# Altium PCB ecoVENTV_v1.1.PcbDoc (part 3 of 3)
Units mm, origin at the board's own origin, x right, y up, seen from the top; angles counter-clockwise.
Board outline 55 x 40 mm, 4 copper layers (Top Layer, GND, POWER, Bottom Layer), stack 1.269 mm thick; 195 components, 115 nets, 548 pads, 345 vias.
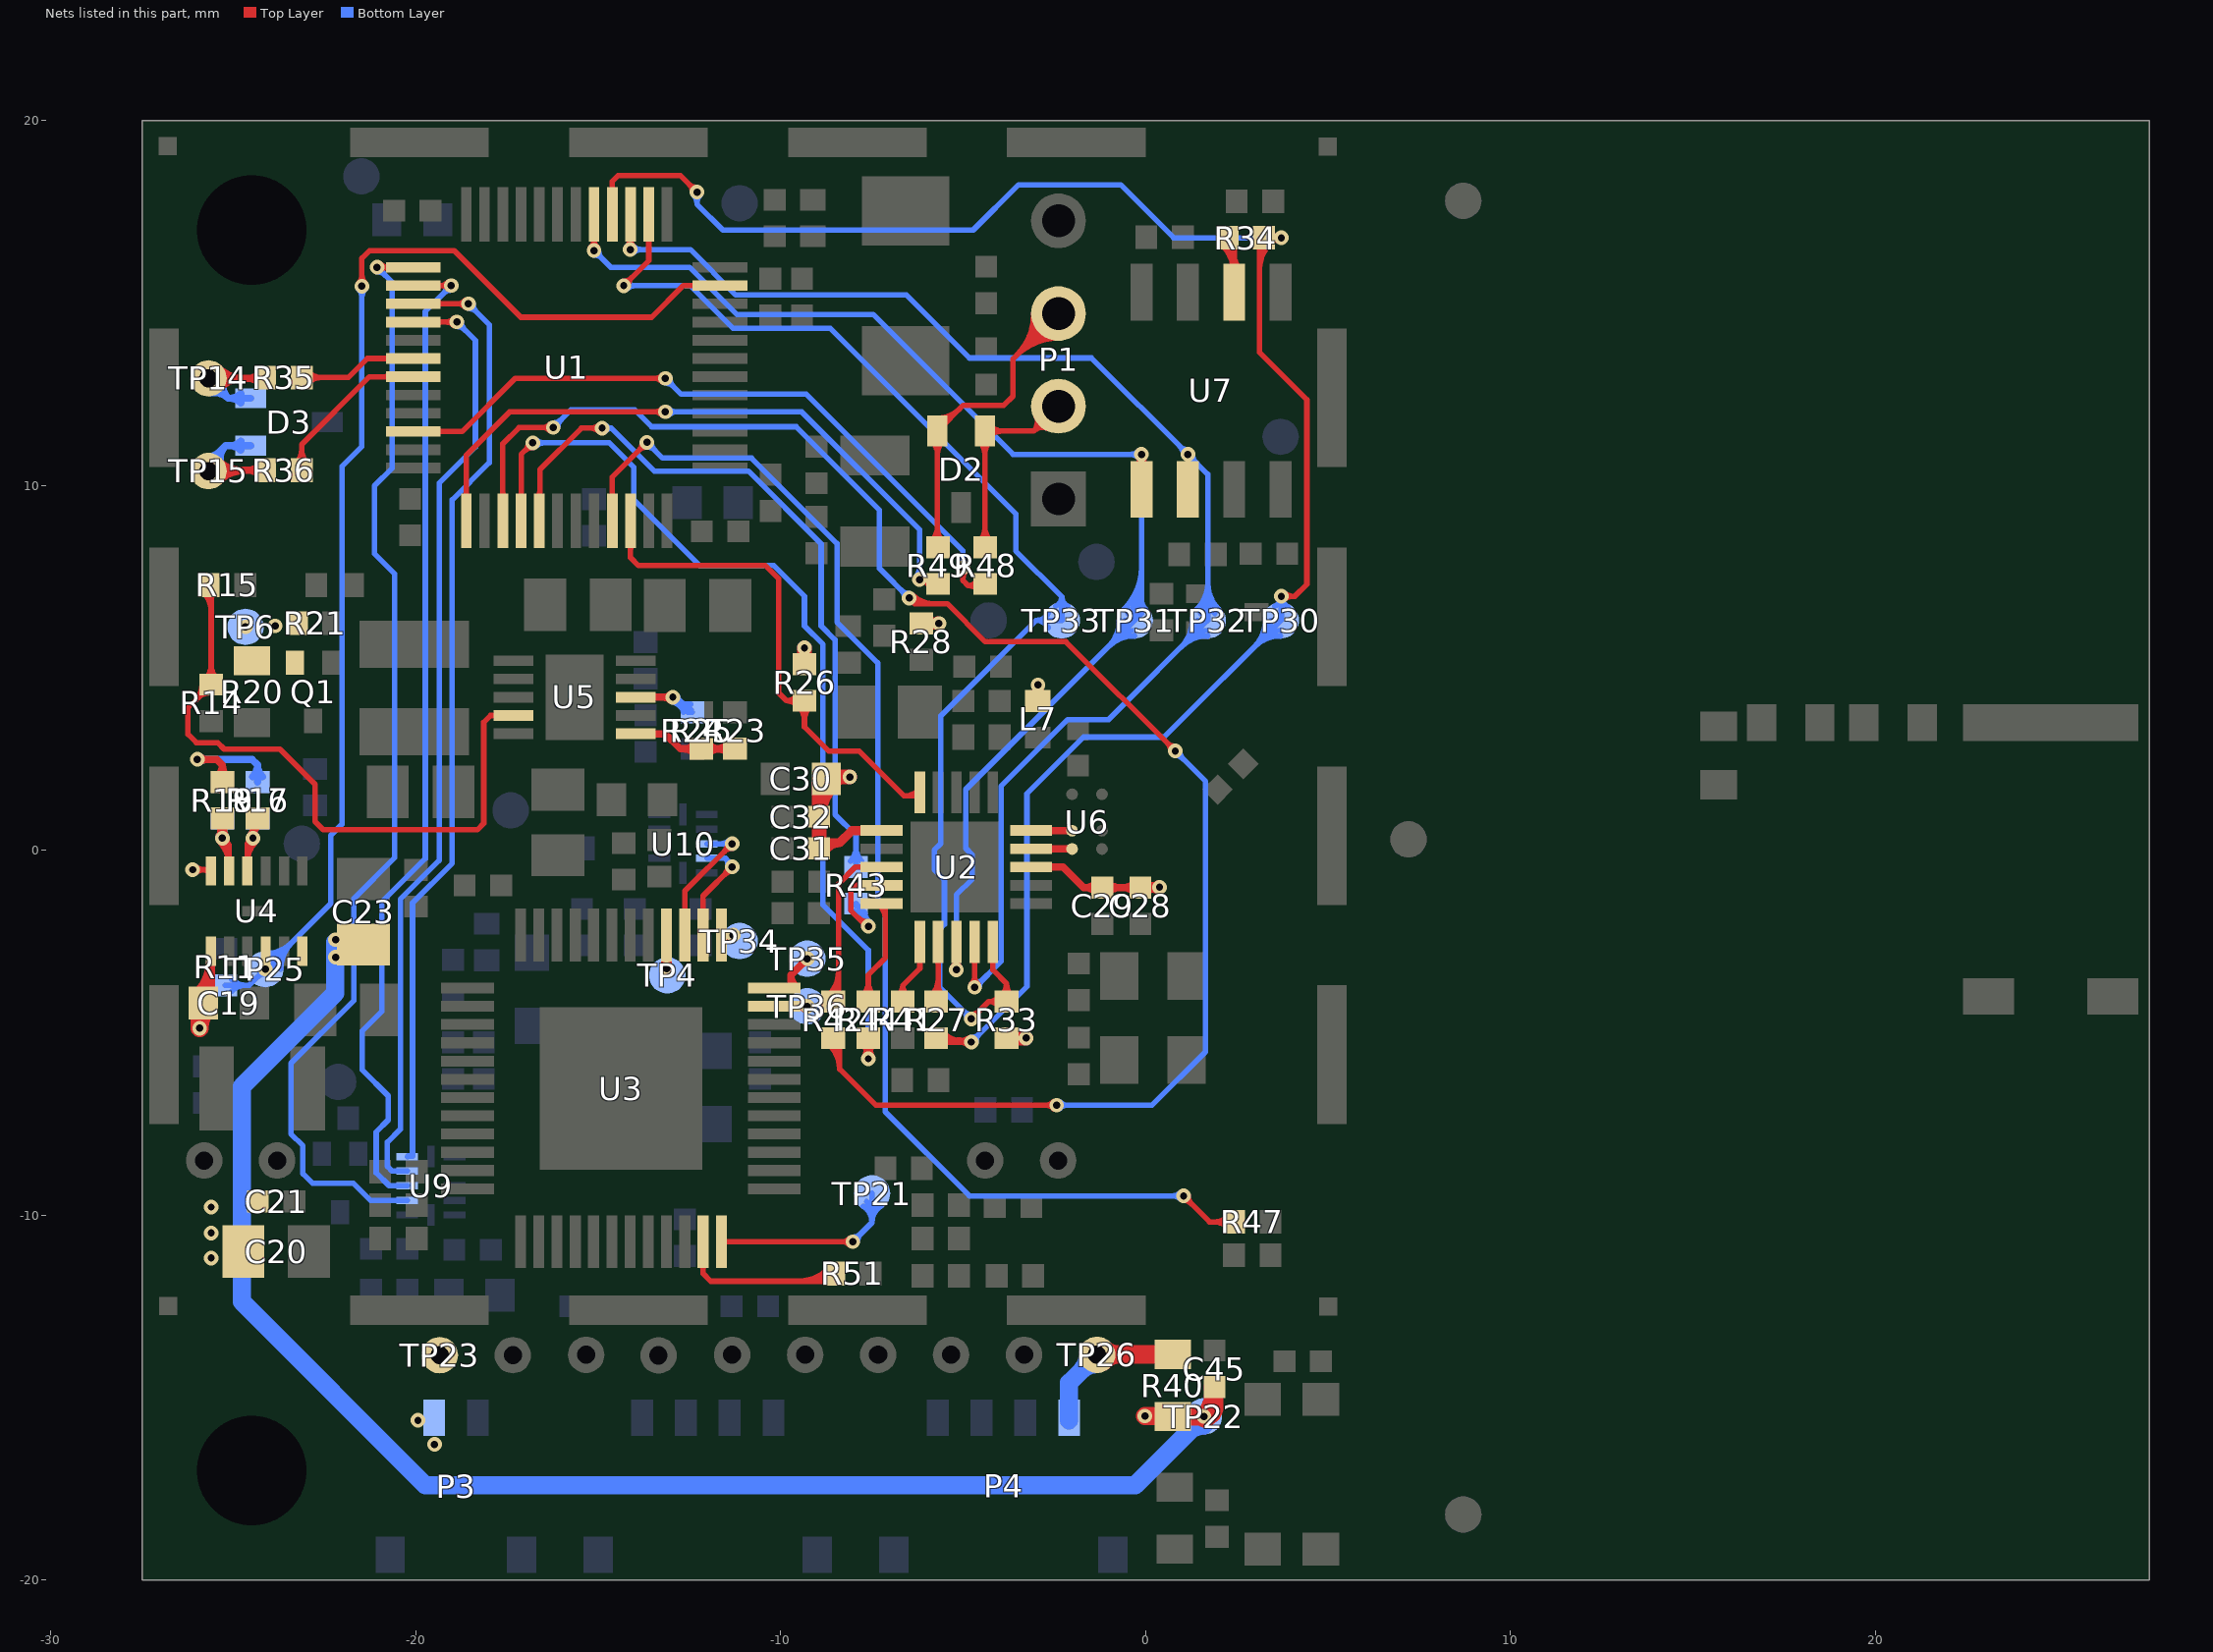
[diagram p5: the nets of this part, all layers, seen from the top]

## Via types
v1: diameter 0.4, hole 0.2, Top Layer to Bottom Layer, tented both sides, 327 vias
v2: diameter 0.4, hole 0.2, Top Layer to Bottom Layer, tented top, 11 vias
v3: diameter 0.4, hole 0.2, Top Layer to Bottom Layer, 7 vias

## Nets (pads, with @x,y where several pads share a name; then routed paths per layer and width w, separated by ;. In a path a pad name is that pad's centre, name@x,y a point inside that pad or via, vN(x,y) a via of type N, cw(c..) or ccw(c..) an arc to the next point about the centre after c; other vN are vias at no path point) (continued)
NetR14_2: R14.2 R15.1 U5.4 | length 20.9
  Top Layer w0.15: -26.033,4.115 ccw(c-26.46,4.542) R14.2@-25.856,4.542 ; -25.973,4.175 cw(c-25.631,3.834) R14.2@-25.631,4.317 ; R15.1@-25.834,7.083 cw(c-26.382,6.535) -25.606,6.535 ; R14.2@-25.765,4.701 ccw(c-26.15,5.085) -25.606,5.085 ccw(c-25.063,5.085) R14.2@-25.447,4.701 ; R15.1@-25.728,7.19 cw(c-26.02,6.897) -25.606,6.897 ; -25.606,6.864 cw(c-25.296,6.864) R15.1@-25.515,7.083 ; R15.1@-25.606,7.268 R14.2@-25.606,4.542 -26.241,3.907 -26.241,3.178 -26.013,2.95 -25.429,2.95 -25.251,2.772 -23.727,2.772 -22.762,1.807 -22.762,0.791 -22.533,0.562 -18.317,0.562 -18.139,0.74 -18.139,3.508 -17.953,3.694 U5.4@-17.455,3.694 ; U5.4@-17.779,3.645 ccw(c-17.899,3.525) -17.899,3.694 ccw(c-17.899,3.863) U5.4@-17.779,3.744
NetR23_2: R23.2 R25.1 U5.6 | length 5.2
  Top Layer w0.2: U5.6@-13.975,3.194 -13.166,3.194 -12.756,2.784 R23.2@-11.256,2.784 ; -12.692,2.784 cw(c-12.692,2.287) R25.1@-12.34,2.638 ; -12.671,2.784 ccw(c-12.671,3.253) R25.1@-12.34,2.921 ; R25.1@-12.007,2.638 cw(c-11.656,2.287) -11.656,2.784 ; R25.1@-12.007,2.921 ccw(c-11.676,3.253) -11.676,2.784 ; R23.2@-11.422,2.643 ccw(c-11.764,2.301) -11.764,2.784 ccw(c-11.764,3.267) R23.2@-11.422,2.925
NetR24_2: R24.2 U5.8 | length 4.6
  Top Layer w0.2: U5.8@-13.975,4.194 v1(-12.957,4.194) ; v1@-13.028,4.123 ccw(c-13.199,3.953) -13.199,4.194 ccw(c-13.199,4.436) v1@-13.028,4.265
  Bottom Layer w0.15: v1@-12.988,4.073 cw(c-13.12,3.564) R24.2@-12.664,3.827 ; v1@-12.957,4.069 cw(c-12.957,3.767) -12.744,3.981 cw(c-12.53,4.194) v1@-12.832,4.194 ; v1@-12.925,4.073 cw(c-12.847,3.782) -12.696,4.043 cw(c-12.545,4.305) v1@-12.836,4.227 ; -12.766,4.003 cw(c-12.99,3.78) R24.2@-12.674,3.78 ; R24.2@-12.72,3.957 ccw(c-12.472,4.204) R24.2@-12.453,3.855 ; R24.2@-12.461,4.004 cw(c-12.497,4.655) v1(-12.957,4.194) -12.543,3.78 R24.2@-12.424,3.78
NetR27_1: R27.1 U2.2 | length 2.8
  Top Layer w0.15: R27.1@-5.878,-3.986 ccw(c-6.335,-3.529) -5.688,-3.529 ; R27.1@-5.744,-4.145 -5.688,-4.09 U2.2@-5.688,-2.508 ; U2.2@-5.738,-2.987 cw(c-5.857,-3.107) -5.688,-3.107 cw(c-5.519,-3.107) U2.2@-5.639,-2.987 ; -5.688,-3.675 ccw(c-5.248,-3.675) R27.1@-5.559,-3.986
NetR34_1: R34.1 U7.2 | length 4.3
  Top Layer w0.15: R34.1@2.081,16.6 cw(c1.25,15.77) U7.2@2.425,15.77 ; R34.1@2.187,16.706 cw(c1.612,16.132) 2.425,16.132 ; U7.2@2.266,15.928 ccw(c1.882,16.312) 2.425,16.312 ccw(c2.968,16.312) U7.2@2.584,15.928 ; R34.1@2.293,16.812 cw(c1.974,16.494) R34.1@2.425,16.494 ; U7.2@2.425,15.293 R34.1@2.425,16.784
NetR41_1: R41.1 U2.1 | length 2.8
  Top Layer w0.15: R41.1@-6.79,-3.963 ccw(c-6.975,-3.705) -6.658,-3.705 ; R41.1@-6.658,-4.145 -6.658,-3.705 ; R41.1@-6.526,-3.963 cw(c-6.341,-3.705) -6.658,-3.705 ; U2.1@-6.238,-2.987 cw(c-6.357,-3.107) -6.188,-3.107 cw(c-6.019,-3.107) U2.1@-6.139,-2.987 ; U2.1@-6.188,-2.408 -6.188,-3.236 -6.658,-3.705
NetR42_1: R42.1 U2.18 | length 6.2
  Top Layer w0.15: R42.1@-8.697,-3.986 ccw(c-9.382,-3.301) -8.414,-3.301 ; R42.1@-8.591,-4.092 ccw(c-9.019,-3.664) -8.414,-3.664 ; R42.1@-8.414,-4.145 -8.414,-0.914 -7.957,-0.458 U2.18@-7.138,-0.458 ; U2.18@-7.718,-0.507 ccw(c-7.837,-0.627) -7.837,-0.458 ccw(c-7.837,-0.289) U2.18@-7.718,-0.409
NetR43_1: R43.1 U2.19 | length 5.1
  Top Layer w0.15: -7.898,-1.83 ccw(c-7.598,-1.53) v1@-7.598,-1.955 ; -7.775,-1.953 cw(c-7.902,-2.08) v1@-7.723,-2.08 ; U2.19@-7.718,-1.007 ccw(c-7.837,-1.127) -7.837,-0.958 ccw(c-7.837,-0.789) U2.19@-7.718,-0.908 ; v1@-7.572,-2.156 -8.083,-1.645 -8.083,-1.104 -7.938,-0.958 U2.19@-7.138,-0.958
  Bottom Layer w0.15: R43.1@-7.984,-1.671 cw(c-8.117,-2.067) v1@-7.699,-2.067 ; R43.1@-7.938,-1.458 R43.1@-7.699,-1.696 ; R43.1@-7.937,-1.529 cw(c-8.047,-1.859) -7.699,-1.859 ; v1@-7.572,-2.156 -7.699,-2.029 R43.1@-7.699,-1.696 ; v1@-7.538,-1.97 cw(c-7.387,-1.696) R43.1@-7.699,-1.696
  other v1: -7.598,-2.08
NetR44_1: R44.1 U2.20 | length 4.1
  Top Layer w0.15: R44.1@-7.761,-3.986 ccw(c-8.145,-3.602) -7.602,-3.602 ccw(c-7.059,-3.602) R44.1@-7.443,-3.986 ; R44.1@-7.602,-4.145 -7.602,-3.416 -7.138,-2.953 U2.20@-7.138,-1.458 ; U2.20@-7.288,-1.507 cw(c-7.649,-1.868) -7.138,-1.868
NetR47_1: R47.1 U1.45 | length 38.8
  Top Layer w0.15: U1.45@-14.666,9.682 ccw(c-14.785,9.801) -14.616,9.801 ccw(c-14.447,9.801) U1.45@-14.567,9.682 ; U1.45@-14.616,9.027 -14.616,10.231 v1(-13.668,11.179) ; v1@-13.793,11.179 cw(c-14.095,11.179) -13.882,10.966 cw(c-13.668,10.752) v1@-13.668,11.054 ; v1@1.038,-9.596 cw(c1.038,-9.898) 1.252,-9.684 cw(c1.465,-9.471) v1@1.163,-9.471 ; v1(1.038,-9.471) 1.749,-10.182 R47.1@2.418,-10.182 ; R47.1@2.259,-10.341 ccw(c1.875,-10.725) 1.875,-10.182 ccw(c1.875,-9.639) R47.1@2.259,-10.023
  Bottom Layer w0.15: v1@-13.668,11.054 cw(c-13.668,10.752) -13.455,10.966 cw(c-13.242,11.179) v1@-13.543,11.179 ; v1(-13.668,11.179) -13.237,10.747 -10.803,10.747 -8.461,8.406 -8.461,6.252 -7.344,5.134 -7.344,-1.366 -7.138,-1.571 -7.138,-7.162 -4.829,-9.471 v1(1.038,-9.471) ; v1@0.95,-9.559 ccw(c0.736,-9.773) 0.736,-9.471 ccw(c0.736,-9.169) v1@0.95,-9.383
NetR48_2: R48.2 U1.34 | length 21.8
  Top Layer w0.15: U1.34@-20.066,11.477 -18.73,11.477 -17.275,12.932 v1(-13.16,12.932) ; U1.34@-19.412,11.428 cw(c-19.292,11.308) -19.292,11.477 cw(c-19.292,11.646) U1.34@-19.412,11.527 ; v1@-13.249,12.843 ccw(c-13.462,12.63) -13.462,12.932 ccw(c-13.462,13.234) v1@-13.249,13.02 ; v1@-5.095,7.662 cw(c-5.309,7.448) -5.007,7.448 cw(c-4.705,7.448) v1@-4.919,7.662 ; v1(-5.007,7.75) -5.007,7.395 -4.863,7.25 ; -4.843,7.25 cw(c-4.843,6.88) R48.2@-4.581,7.142 ; R48.2@-4.625,7.399 cw(c-4.863,7.514) -4.863,7.25 ; R48.2@-4.397,7.25 -4.863,7.25
  Bottom Layer w0.15: v1@-13.16,12.807 cw(c-13.16,12.505) -12.947,12.718 cw(c-12.734,12.932) v1@-13.035,12.932 ; v1(-13.16,12.932) -12.729,12.5 -9.3,12.5 -5.007,8.207 v1(-5.007,7.75) ; v1@-5.095,7.839 ccw(c-5.309,8.052) -5.007,8.052 ccw(c-4.705,8.052) v1@-4.919,7.839
NetR49_2: R49.2 U1.37 | length 20.4
  Top Layer w0.15: U1.37@-18.666,9.682 ccw(c-18.785,9.801) -18.616,9.801 ccw(c-18.447,9.801) U1.37@-18.567,9.682 ; U1.37@-18.616,9.027 -18.616,10.829 -17.428,12.017 v1(-13.16,12.017) ; v1@-13.249,11.929 ccw(c-13.462,11.716) -13.462,12.017 ccw(c-13.462,12.319) v1@-13.249,12.106 ; v1@-6.112,7.332 cw(c-5.899,7.118) -5.899,7.42 cw(c-5.899,7.722) v1@-6.112,7.508 ; R49.2@-5.93,7.227 ccw(c-6.201,7.134) v1(-6.201,7.42) R49.2@-5.693,7.42
  Bottom Layer w0.15: v1(-13.16,12.017) -9.427,12.017 -6.201,8.792 v1(-6.201,7.42) ; v1@-13.072,11.929 cw(c-12.859,11.716) -12.859,12.017 cw(c-12.859,12.319) v1@-13.072,12.106 ; v1@-6.289,7.508 ccw(c-6.503,7.722) -6.201,7.722 ccw(c-5.899,7.722) v1@-6.112,7.508
NetR51_1: R51.1 U3.11 | length 6.8
  Top Layer w0.15: U3.11@-12.183,-11.353 cw(c-12.311,-11.481) -12.13,-11.481 cw(c-11.949,-11.481) U3.11@-12.077,-11.353 ; U3.11@-12.13,-10.725 -12.13,-11.594 -11.916,-11.808 -8.747,-11.808 R51.1@-8.539,-11.6 ; -9.524,-11.808 ccw(c-9.524,-10.64) R51.1@-8.698,-11.466 ; -9.161,-11.808 ccw(c-9.161,-11.003) R51.1@-8.592,-11.572 ; R51.1@-8.799,-11.808 ccw(c-8.799,-11.365) R51.1@-8.486,-11.678
NetTP4_1: TP4.1 U3.28 | length 0.9
  Top Layer w0.3: v1(-13.13,-3.243) U3.28@-13.13,-2.325
NetTP21_1: TP21.1 U3.12 | length 8.1
  Top Layer w0.15: U3.12@-11.63,-10.725 v1(-8.025,-10.725) ; U3.12@-11.577,-10.778 cw(c-11.449,-10.906) -11.449,-10.725 cw(c-11.449,-10.544) U3.12@-11.577,-10.672 ; v1@-8.113,-10.813 ccw(c-8.326,-11.026) -8.326,-10.725 ccw(c-8.326,-10.423) v1@-8.113,-10.636
  Bottom Layer w0.15: v1(-8.025,-10.725) -7.5,-10.2 ; v1@-8.025,-10.6 ccw(c-8.025,-10.298) -7.811,-10.511 ccw(c-7.598,-10.725) v1@-7.9,-10.725 ; TP21.1@-7.738,-9.752 cw(c-8.04,-10.2) -7.5,-10.2 ; TP21.1@-7.654,-9.628 cw(c-7.85,-9.918) -7.5,-9.918 cw(c-7.15,-9.918) TP21.1@-7.346,-9.628 ; TP21.1@-7.5,-9.4 -7.5,-10.2 ; TP21.1@-7.262,-9.752 ccw(c-6.96,-10.2) -7.5,-10.2
NetTP34_1: TP34.1 U3.25 | length 0.3
  Top Layer w0.3: U3.25@-11.63,-2.325 v1(-11.306,-2.325)
NetTP35_1: TP35.1 U3.24 | length 2.2
  Top Layer w0.2: U3.24@-10.18,-3.775 -9.726,-3.775 -9.726,-3.421 ; U3.24@-9.574,-3.735 cw(c-9.326,-3.421) -9.726,-3.421 ; v1@-9.374,-2.969 cw(c-9.616,-2.969) -9.445,-3.139 cw(c-9.274,-3.31) v1@-9.274,-3.069 ; v1(-9.274,-2.969) -9.726,-3.421
NetTP36_1: TP36.1 U3.23 | length 1.3
  Top Layer w0.2: U3.23@-10.18,-4.275 v1(-9.274,-4.275) ; v1@-9.345,-4.345 ccw(c-9.516,-4.516) -9.516,-4.275 ccw(c-9.516,-4.033) v1@-9.345,-4.204
NetU2_9: U2.9 U6.A2 | length 1.1
  Top Layer w0.2: U2.9@-3.238,0.042 -2.112,0.042 U6.A2@-2.107,0.037
NetU2_10: U2.10 U6.B2 | length 1.1
  Top Layer w0.2: U2.10@-3.238,0.542 -2.112,0.542 U6.B2@-2.107,0.537
NetU3_26: U3.26 U10.10 | length 4.2
  Top Layer w0.15: U3.26@-12.183,-1.697 ccw(c-12.311,-1.569) -12.13,-1.569 ccw(c-11.949,-1.569) U3.26@-12.077,-1.697 ; U3.26@-12.13,-2.325 -12.13,-1.252 v1(-11.332,-0.454) ; v1@-11.457,-0.454 cw(c-11.758,-0.454) -11.545,-0.667 cw(c-11.332,-0.881) v1@-11.332,-0.579
  Bottom Layer w0.15: U10.10@-12.028,-0.219 -11.516,-0.219 ; -11.458,-0.277 ccw(c-11.332,-0.15) v1@-11.332,-0.329 ; v1@-11.454,-0.428 ccw(c-11.677,-0.381) -11.516,-0.219 ; v1@-11.23,-0.505 -11.516,-0.219
NetU3_27: U3.27 U10.9 | length 5
  Top Layer w0.15: U3.27@-12.683,-1.697 ccw(c-12.811,-1.569) -12.63,-1.569 ccw(c-12.449,-1.569) U3.27@-12.577,-1.697 ; U3.27@-12.63,-2.325 -12.63,-1.117 v1(-11.332,0.181) ; v1@-11.457,0.181 cw(c-11.758,0.181) -11.545,-0.032 cw(c-11.332,-0.246) v1@-11.332,0.056
  Bottom Layer w0.15: U10.9@-12.028,0.181 v1(-11.332,0.181) ; v1@-11.42,0.093 ccw(c-11.633,-0.121) -11.633,0.181 ccw(c-11.633,0.483) v1@-11.42,0.269
R\A\D\I\O\_\C\S\: R33.2 TP33.1 U1.14 U2.5 | length 40.6
  Top Layer w0.15: v1(-14.303,15.472) -13.616,16.159 U1.14@-13.616,17.427 ; v1@-14.303,15.597 ccw(c-14.303,15.899) -14.09,15.685 ccw(c-13.877,15.472) v1@-14.178,15.472 ; U1.14@-13.666,16.773 cw(c-13.785,16.653) -13.616,16.653 cw(c-13.447,16.653) U1.14@-13.567,16.773 ; v1(-4.778,-4.62) -4.304,-4.145 ; v1@-4.778,-4.495 ccw(c-4.778,-4.193) -4.565,-4.406 ccw(c-4.352,-4.62) v1@-4.653,-4.62 ; U2.5@-4.238,-2.987 cw(c-4.357,-3.107) -4.188,-3.107 cw(c-4.019,-3.107) U2.5@-4.139,-2.987 ; U2.5@-4.188,-2.508 -4.188,-3.279 -3.813,-3.654 ; U2.5@-4.188,-2.408 U2.5@-4.174,-2.422 ; R33.2@-4.014,-4.285 ccw(c-4.304,-4.514) -4.304,-4.145 ; R33.2@-4.014,-4.005 cw(c-4.304,-3.776) -4.304,-4.145 ; R33.2@-3.96,-3.974 ccw(c-4.236,-3.654) -3.813,-3.654 ; R33.2@-3.666,-3.974 cw(c-3.391,-3.654) -3.813,-3.654 ; -4.304,-4.145 R33.2@-3.813,-4.145 -3.813,-3.654
  Bottom Layer w0.15: v1(-14.303,15.472) -12.475,15.472 -11.306,14.303 -8.639,14.303 -3.559,9.223 -3.559,8.207 -2.3,6.948 ; v1@-14.215,15.383 cw(c-14.002,15.17) -14.002,15.472 cw(c-14.002,15.774) v1@-14.215,15.56 ; v1@-4.903,-4.62 ccw(c-5.205,-4.62) -4.992,-4.406 ccw(c-4.778,-4.193) v1@-4.778,-4.495 ; v1(-4.778,-4.62) -5.642,-3.756 -5.642,-2.156 -5.515,-2.029 -5.515,-0.81 -5.794,-0.53 -5.794,0.005 -5.617,0.182 -5.617,3.685 -3.003,6.3 ; TP33.1@-2.676,6.103 ccw(c-3.003,5.931) -3.003,6.3 ; TP33.1@-2.676,6.497 cw(c-3.003,6.669) -3.003,6.3 ; TP33.1@-2.469,6.69 ccw(c-2.582,6.948) -2.3,6.948 ; TP33.1@-2.131,6.69 cw(c-2.018,6.948) -2.3,6.948 ; -3.003,6.3 TP33.1@-2.3,6.3 -2.3,6.948
RADIO_IO1: R44.2 U1.40 | length 29.9
  Top Layer w0.127: R44.2@-7.809,-5.145 R44.2@-7.784,-5.17
  Top Layer w0.15: U1.40@-17.166,9.682 ccw(c-17.298,9.814) -17.111,9.814 ; U1.40@-17.111,9.027 -17.111,10.849 v1(-16.794,11.166) ; -17.111,9.788 ccw(c-16.96,9.788) U1.40@-17.067,9.682 ; v1@-16.919,11.166 cw(c-17.221,11.166) -17.007,10.953 cw(c-16.794,10.739) v1@-16.794,11.041 ; R44.2@-7.761,-5.304 cw(c-8.145,-5.688) -7.602,-5.688 cw(c-7.059,-5.688) R44.2@-7.443,-5.304 ; v1@-7.707,-5.643 ccw(c-7.932,-5.496) R44.2@-7.672,-5.427 ; v1@-7.69,-5.623 ccw(c-7.904,-5.41) -7.602,-5.41 ccw(c-7.3,-5.41) v1@-7.514,-5.623 ; R44.2@-7.67,-5.433 ccw(c-7.399,-5.36) v1@-7.54,-5.604 ; v1@-7.665,-5.604 ccw(c-7.805,-5.36) R44.2@-7.534,-5.433 ; v1(-7.602,-5.712) R44.2@-7.602,-5.145 ; R44.2@-7.532,-5.427 ccw(c-7.272,-5.496) v1@-7.497,-5.643
  Bottom Layer w0.15: v1(-16.794,11.166) -14.697,11.166 -14.024,10.493 -14.024,9.604 -12.221,7.801 -10.189,7.801 -9.35,6.963 -9.35,6.15 -8.842,5.642 -8.842,-1.495 -7.602,-2.736 v1(-7.602,-5.712) ; v1@-16.705,11.078 cw(c-16.492,10.864) -16.492,11.166 cw(c-16.492,11.468) v1@-16.705,11.254 ; v1@-7.69,-5.623 ccw(c-7.904,-5.41) -7.602,-5.41 ccw(c-7.3,-5.41) v1@-7.514,-5.623
RADIO_IO2: R43.2 U1.41 | length 22
  Top Layer w0.15: U1.41@-16.666,9.682 ccw(c-16.818,9.833) -16.603,9.833 ; U1.41@-16.616,9.027 -16.603,9.04 -16.603,10.429 -15.464,11.568 v1(-14.895,11.568) ; v1@-14.984,11.48 ccw(c-15.197,11.266) -15.197,11.568 ccw(c-15.197,11.87) v1@-14.984,11.656
  Bottom Layer w0.15: v1(-14.895,11.568) -14.641,11.568 ; v1@-14.796,11.492 cw(c-14.641,11.372) -14.641,11.568 ; v1@-14.796,11.644 ccw(c-14.641,11.764) -14.641,11.568 ; R43.2@-8.097,-0.299 ccw(c-8.481,0.085) -7.938,0.085 ccw(c-7.395,0.085) R43.2@-7.779,-0.299 ; R43.2@-7.938,-0.458 -7.938,0.41 -8.512,0.984 -8.512,5.769 -8.893,6.15 -8.893,8.397 -10.888,10.392 -13.465,10.392 -14.641,11.568
RADIO_IO3: R42.2 U1.39 | length 52.4
  Top Layer w0.15: U1.39@-17.666,9.682 ccw(c-17.785,9.801) -17.616,9.801 ccw(c-17.447,9.801) U1.39@-17.567,9.682 ; U1.39@-17.616,9.027 -17.616,11.143 -17.174,11.586 v1(-16.234,11.586) ; v1@-16.322,11.497 ccw(c-16.536,11.284) -16.536,11.586 ccw(c-16.536,11.887) v1@-16.322,11.674 ; R42.2@-8.69,-5.311 cw(c-9.328,-6.005) -8.385,-6.005 ; R42.2@-8.589,-5.2 cw(c-9.014,-5.663) -8.385,-5.663 ; R42.2@-8.563,-5.145 -8.385,-5.323 -8.385,-5.991 -7.395,-6.982 v1(-2.442,-6.982) ; v1@-6.498,6.894 ccw(c-6.173,7.22) -6.173,6.76 ; v1(-6.48,6.912) -6.328,6.76 ; v1@-6.447,6.791 cw(c-6.415,6.672) -6.328,6.76 ; v1@-6.392,7 ccw(c-5.81,7.582) -5.81,6.76 ; v1@-6.36,6.879 ccw(c-6.241,6.847) -6.328,6.76 ; v1@-2.53,-7.07 ccw(c-2.743,-7.284) -2.743,-6.982 ccw(c-2.743,-6.68) v1@-2.53,-6.893 ; v1@0.685,2.721 ccw(c0.383,2.721) 0.596,2.934 ccw(c0.81,3.148) v1@0.81,2.846 ; v1(0.81,2.721) -2.188,5.718 -4.397,5.718 -5.439,6.76 -6.328,6.76
  Bottom Layer w0.15: v1(-16.234,11.586) -15.751,12.068 -13.999,12.068 -13.537,11.607 -9.575,11.607 -7.293,9.325 -7.293,7.725 v1(-6.48,6.912) ; v1@-16.234,11.711 ccw(c-16.234,12.012) -16.02,11.799 ccw(c-15.807,11.586) v1@-16.109,11.586 ; v1@-6.605,6.912 ccw(c-6.907,6.912) -6.694,7.125 ccw(c-6.48,7.339) v1@-6.48,7.037 ; v1(-2.442,-6.982) 0.175,-6.982 1.64,-5.516 1.64,1.891 v1(0.81,2.721) ; v1@-2.353,-7.07 cw(c-2.14,-7.284) -2.14,-6.982 cw(c-2.14,-6.68) v1@-2.353,-6.893 ; v1@0.81,2.596 cw(c0.81,2.294) 1.023,2.508 cw(c1.236,2.721) v1@0.935,2.721
RADIO_SDN: R26.2 U1.46 U2.15 | length 16.1
  Top Layer w0.15: U1.46@-14.166,8.373 cw(c-14.285,8.253) -14.116,8.253 cw(c-13.947,8.253) U1.46@-14.067,8.373 ; U1.46@-14.116,9.027 -14.116,8.02 -13.897,7.801 -10.417,7.801 -10.062,7.445 -10.062,4.321 -9.841,4.101 ; R26.2@-9.552,3.961 ccw(c-9.841,3.731) -9.841,4.101 ; R26.2@-9.552,4.24 cw(c-9.841,4.47) -9.841,4.101 ; R26.2@-9.509,3.942 cw(c-9.894,3.557) -9.35,3.557 cw(c-8.807,3.557) R26.2@-9.191,3.942 ; -6.599,1.492 ccw(c-6.599,2.002) U2.15@-6.238,1.642 ; U2.15@-6.188,1.492 -6.623,1.492 -7.852,2.721 -8.69,2.721 -9.35,3.381 R26.2@-9.35,4.101 -9.841,4.101
RX1: D3.1 R36.1 TP15.1 | length 7.9
  Top Layer w0.2: TP15.1@-25.683,10.392 -25.657,10.417 R36.1@-24.125,10.417 ; TP15.1@-25.541,10.25 cw(c-25.138,9.848) -25.138,10.417 ; TP15.1@-25.4,10.109 cw(c-24.656,9.365) -24.656,10.417 ; TP15.1@-25.4,10.675 ccw(c-24.778,11.296) -24.778,10.417 ; R36.1@-24.267,10.276 ccw(c-24.608,9.934) -24.608,10.417 ccw(c-24.608,10.9) R36.1@-24.267,10.559
  Bottom Layer w0.2: TP15.1@-25.683,10.392 -25.683,10.62 -25.215,11.088 ; TP15.1@-25.683,10.792 ccw(c-25.683,11.206) -25.39,10.913 ; TP15.1@-25.499,10.472 cw(c-25.161,10.62) -25.422,10.881 ; TP15.1@-25.316,10.552 cw(c-24.873,10.746) -25.215,11.088 ; D3.1@-24.797,10.964 ccw(c-25.095,10.666) -25.095,11.088 ccw(c-25.095,11.51) D3.1@-24.797,11.212 ; D3.1@-24.523,11.088 -25.215,11.088
S_PWR: P4.1 R40.1 TP26.1 | length 6.1
  Top Layer w0.5: TP26.1@-1.333,-13.825 -1.321,-13.813 R40.1@0.741,-13.813 ; TP26.1@-1.156,-14.001 cw(c-0.701,-14.457) -0.701,-13.813 ; TP26.1@-1.156,-13.648 ccw(c-0.758,-13.25) -0.758,-13.813
  Bottom Layer w0.5: P4.1@-2.1,-15.625 -2.1,-14.592 TP26.1@-1.333,-13.825 ; TP26.1@-1.583,-13.825 cw(c-2.186,-13.825) -1.76,-14.251 cw(c-1.333,-14.678) TP26.1@-1.333,-14.075
SEN_PWR: C23.1 C45.1 R40.2 TP22.1 U4.6 | length 45.7
  Top Layer w0.5: v1(-0.02,-15.501) R40.2@0.741,-15.501 ; R40.2@0.741,-15.513 v1(1.593,-15.513) ; v1@1.603,-15.562 ccw(c1.538,-15.222) 1.885,-15.222 ; v1@1.629,-15.548 ccw(c1.011,-14.93) C45.1@1.885,-14.93 ; C45.1@1.836,-14.716 cw(c0.968,-14.887) v1(1.593,-15.513) ; C45.1@1.885,-14.706 1.885,-15.222 ; v1(1.593,-15.513) 1.885,-15.222
  Bottom Layer w0.5: v1@-22.21,-2.519 -22.21,-3.915 -24.768,-6.474 -24.768,-12.367 -19.739,-17.396 -0.29,-17.396 v1(1.593,-15.513) ; TP22.1@1.343,-15.513 cw(c0.74,-15.513) 1.167,-15.94 cw(c1.593,-16.366) TP22.1@1.593,-15.763
  other v1: -22.201,-2.93 -22.201,-2.447
SEN_PWR_EN: R11.2 TP25.1 U1.11 U4.4 | length 39.8
  Top Layer w0.15: v1@-24.211,-3.167 ccw(c-24.447,-2.931) U4.4@-24.113,-2.931 ; U4.4@-24.159,-3.069 cw(c-24.27,-3.18) -24.113,-3.18 cw(c-23.956,-3.18) U4.4@-24.067,-3.069 ; v1@-24.113,-3.184 U4.4@-24.113,-2.763 U4.4@-24.113,-2.613 ; U4.4@-24.113,-2.976 ccw(c-23.843,-2.976) v1@-24.034,-3.167 ; v1@-21.566,15.549 ccw(c-21.78,15.762) -21.478,15.762 ccw(c-21.176,15.762) v1@-21.389,15.549 ; v1(-21.478,15.46) -21.478,16.222 -21.263,16.437 -18.952,16.437 -17.123,14.608 -13.541,14.608 -12.673,15.477 U1.11@-11.666,15.477 ; U1.11@-12.321,15.428 ccw(c-12.44,15.308) -12.44,15.477 ccw(c-12.44,15.646) U1.11@-12.321,15.527
  Bottom Layer w0.15: R11.2@-25.225,-3.697 -24.565,-3.697 v1(-24.123,-3.255) -22.33,-1.462 -22.33,0.41 -22.025,0.714 -22.025,10.519 -21.478,11.066 v1(-21.478,15.46) ; R11.2@-25.041,-3.856 cw(c-24.657,-4.24) -24.657,-3.697 cw(c-24.657,-3.154) R11.2@-25.041,-3.538 ; TP25.1@-24.248,-3.255 cw(c-24.549,-3.255) -24.336,-3.469 cw(c-24.123,-3.682) TP25.1@-24.123,-3.38 ; TP25.1@-24.123,-3.13 ccw(c-24.123,-2.828) -23.909,-3.042 ccw(c-23.696,-3.255) TP25.1@-23.998,-3.255 ; TP25.1@-24.123,-2.98 ccw(c-24.123,-2.316) -23.653,-2.786 ccw(c-23.184,-3.255) TP25.1@-23.848,-3.255 ; TP25.1@-24.123,-2.83 ccw(c-24.123,-1.804) -23.397,-2.53 ccw(c-22.672,-3.255) TP25.1@-23.698,-3.255 ; v1@-21.566,15.372 cw(c-21.78,15.158) -21.478,15.158 cw(c-21.176,15.158) v1@-21.389,15.372